# Allegro board AM335x_ICE_3H0013_PCB_REV_2_1A.brd (continued)
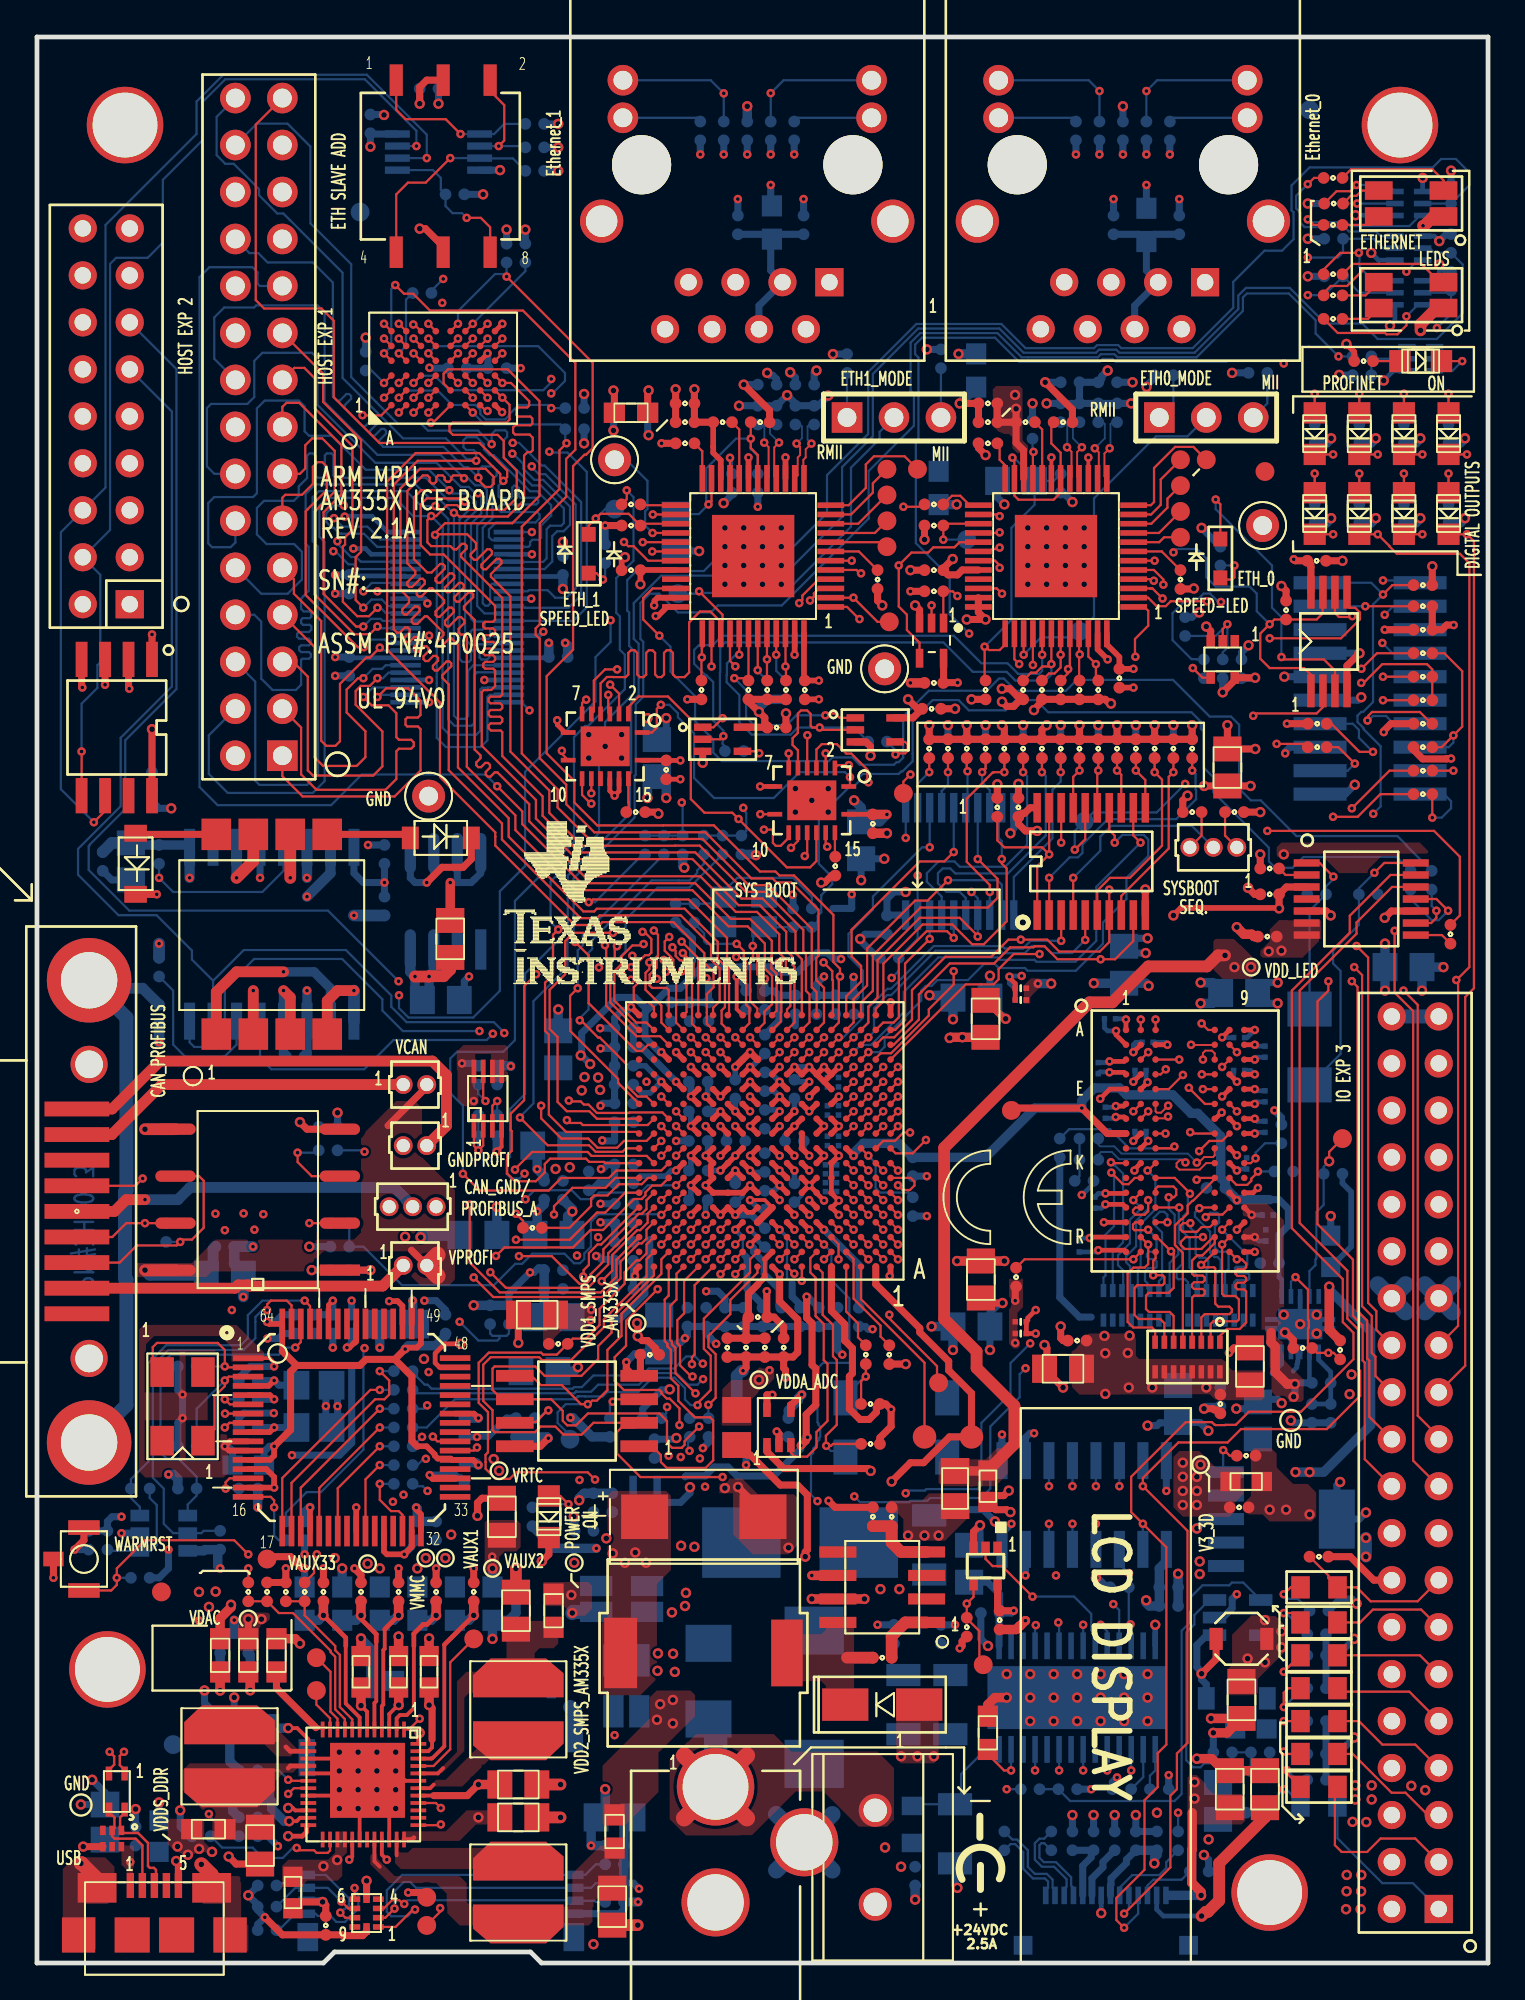
[diagram p0: board, top side]
## Routing (per net, layer and track width the routed paths; a pad name or vN(x,y) marks a point on that pad's centre or on a via; arc(x,y) is an arc through that point) (continued)
PRUETH0_TXD2: length 45.5
  TOP w0.121: U37.12 59.3,60.97 v1(59.69,60.58) ; v1(60.93,74.53) 60.93,74.81 60.41,75.32 U3.5 ; v1(44.17,49.25) U14.R4
  LYR3 w0.127: v1(60.93,74.53) 61.39,74.06 61.39,69.1 59.94,67.65 59.94,63.68 57.78,61.53 57.78,60.49 58.21,60.07 59.18,60.07 v1(59.69,60.58)
  BOTTOM w0.121: v1(44.17,49.25) 44.56,49.64 45.11,49.64 46.89,51.41 46.89,52.51 48.76,54.38 51.96,54.38 52.09,54.24 53.95,54.24 54.06,54.14 56.17,54.14 57.3,55.27 57.3,58.19 v1(59.69,60.58)
PRUETH0_TXD3: length 45.9
  TOP w0.121: U3.6 v1(60.45,75.82) ; v1(58.29,60.58) 58.29,60.96 58,61.25 U37.14 ; v1(44.97,49.25) U14.R3
  LYR3 w0.127: v1(60.45,75.82) 60.56,75.82 61.94,74.44 61.94,64.22 v1(58.29,60.58)
  BOTTOM w0.121: v1(58.29,60.58) 58.71,61 59.86,61 60.11,60.75 60.11,59.85 58.93,58.67 58.93,57.53 57.66,56.26 57.66,55.12 56.19,53.65 53.58,53.65 53.44,53.8 52.02,53.8 51.81,54.01 51.22,54.01 50.35,53.15 48.7,53.15 48.39,52.83 48.07,52.83 47.82,52.58 47.82,52.04 45.85,50.06 45.85,49.54 45.56,49.25 v1(44.97,49.25)
PRUETH0_TXEN: length 89.3
  TOP w0.121: v1(49.58,53.63) 49.58,52.91 48.24,51.57 48.24,51.23 46.2,49.19 45.63,49.19 45.37,48.93 U14.R2 ; v1(33.77,43.65) U14.J16 ; U3.2 60.1,73.82 60.56,73.36 61.05,73.36 61.32,73.63 v1(63.28,73.63) ; U37.16 56.7,60.76 v1(56.13,60.2)
  LYR3 w0.127: v1(32.14,53.85) 31.93,53.85 31.91,53.86 31.15,53.86 29.32,52.03 28,52.03 26.47,50.5 26.47,46.02 28.41,44.08 33.34,44.08 v1(33.77,43.65)
  LYR4 w0.127: v1(63.28,73.63) 63.72,73.19 63.72,71.25 63.11,70.64 63.11,66.05 61.96,64.9 61.96,64.41 62.1,64.27 v1(62.1,63.75) ; v1(56.13,60.2) 57.02,59.31 57.02,57.53 57.95,56.6 57.95,54.1 57.7,53.85 55.52,53.85 53.62,55.75 52.4,55.75 50.32,53.67 49.62,53.67 v1(49.58,53.63) 49.1,54.11 45.73,54.11 43.51,51.89 33.97,51.89 32.78,53.08 32.78,53.2 v1(32.14,53.85)
  BOTTOM w0.121: v1(56.13,60.2) 56.13,61.21 TP32.1 57.13,62.21 60.56,62.21 v1(62.1,63.75)
PRUETH1_ACTLED: length 36.4
  TOP w0.121: U2.26 v1(33.31,78.32)
  LYR3 w0.127: v1(33.31,78.32) 34.29,79.3 34.29,82.93 32.58,84.64 32.58,91.32 36.36,95.09 36.36,95.11 37.57,96.32 37.57,100.82 37.85,101.09 39.67,101.09 v1(39.69,101.1)
  BOTTOM w0.121: J1.12 40.38,101.8 v1(39.69,101.1) R97.1
PRUETH1_COL: length 23.5
  TOP w0.121: U9.11 v1(29.98,63.25) ; U7.1 43.42,67.32 43.18,67.56 42.75,67.56 v1(42.65,67.46) ; v1(37.72,69.47) 38.35,69.47 R27.1 38.49,69.35 U2.42
  LYR3 w0.127: v1(29.98,63.25) 30.97,64.23 32.8,64.23 37.72,69.15 v1(37.72,69.47)
  BOTTOM w0.121: v1(42.65,67.46) 41.07,67.46 40.54,66.93 38.79,66.93 38.36,67.36 38.36,67.45 38.35,67.45 38.35,68.83 v1(37.72,69.47)
PRUETH1_INTN: length 3
  TOP w0.121: R18.1 44.45,76.32 U2.7
PRUETH1_JTCK: length 3.1
  TOP w0.121: TP16.1 45.73,76.82 U2.8
PRUETH1_JTDI: length 6.8
  TOP w0.121: TP8.1 46.93,81.47 45.27,81.47 44.83,81.03 44.83,79.76 43.9,78.82 U2.12
PRUETH1_JTDO: length 3.3
  TOP w0.121: U2.9 45.32,77.32 TP14.1
PRUETH1_JTMS: length 3.7
  TOP w0.121: TP12.1 44.42,77.82 U2.10
PRUETH1_JTRSTN: length 4.4
  TOP w0.121: TP10.1 45.21,80.01 45.21,79.5 44.03,78.32 U2.11
PRUETH1_LINKLED: length 37.8
  TOP w0.121: U2.28 v1(33.29,77.32)
  LYR4 w0.127: J1.10 30.05,101.8 28.83,100.58 28.83,93.09 31.65,90.27 31.65,82.67 31.24,82.26 TP17.1
  BOTTOM w0.121: v1(33.29,77.32) 32.89,77.72 32.89,78.5 33.02,78.62 33.02,80.14 31.88,81.28 TP17.1 ; J1.10 36.44,101.8 v1(37.15,101.09) R95.1
PRUETH1_RXD3: length 22.3
  TOP w0.121: U2.46 v1(40.49,70.1) 40.51,70.08 R29.1 ; U11.14 42.66,60.44 v1(42.74,60.36)
  LYR4 w0.127: v1(40.49,70.1) 40.49,71.23 40.82,71.56 41.5,71.56 41.61,71.45 41.61,70.89 41.72,70.77 41.88,70.77 41.99,70.89 41.99,71.45 42.1,71.56 42.52,71.56 43.07,71.02 43.07,69.69 43.42,69.33 43.42,69.1 43.07,68.74 43.07,66.94 42.51,66.38 42.26,66.38 41.64,65.76 41.64,64.91 42.07,64.47 42.07,63.52 42.38,63.21 42.38,62.48 42.33,62.42 42.33,61.76 42.44,61.65 43.05,61.65 43.16,61.54 43.16,61.38 43.05,61.27 42.44,61.27 42.33,61.16 42.33,60.9 42.74,60.48 v1(42.74,60.36)
PRUETH1_RXDV: length 40
  TOP w0.121: U2.39 36.98,72.48 ; 36.98,72.48 36.99,72.48 37.08,72.57 37.08,72.9 v1(35.81,74.17) ; 36.98,72.48 36.98,72.51 36.42,73.08 35.86,73.08 35.27,72.49 35.27,69.78 35.03,69.53 34.54,69.53 34.4,69.67 34.4,70.84 34.26,70.98 34.06,70.98 33.92,70.84 33.92,69.67 33.78,69.53 33.57,69.53 33.43,69.67 33.43,70.84 33.29,70.98 33.09,70.98 32.95,70.84 32.95,69.67 32.81,69.53 32.61,69.53 32.47,69.67 32.47,70.84 32.33,70.98 32.13,70.98 31.99,70.84 31.99,69.67 31.84,69.53 31.18,69.53 31.17,69.54 30.83,69.54 30.48,69.19 U9.5
  BOTTOM w0.121: TP36.1 35.69,74.04 v1(35.81,74.17) 35.86,74.17 35.94,74.08 40.45,74.08 44.03,77.66 44.03,80.85 45.57,82.4 45.57,82.78 J19.2
PRUETH1_RXERR: length 20.4
  TOP w0.121: U2.41 v1(37.98,70.74) ; U11.6 41.16,65.57 40.87,65.86 40.87,66.23 41.15,66.51 41.15,67.56 41.32,67.73 41.66,67.73 41.85,67.54 41.85,66.91 41.95,66.8 v1(42.33,66.8) 42.34,66.8 42.47,66.67 U7.2
  BOTTOM w0.121: R138.2 44.2,66.8 v1(42.33,66.8) 41.15,66.8 40.77,66.42 38.66,66.42 37.99,67.08 37.99,68.56 37.3,69.25 37.3,69.64 37.32,69.66 37.32,70.27 37.84,70.79 37.93,70.79 v1(37.98,70.74)
PRUETH1_RXERR_COL: length 11.8
  TOP w0.121: v1(46.44,65.35) 46.5,65.41 46.96,65.41 47.09,65.54 47.09,65.89 46.96,66.03 U7.4 ; U11.11 41.16,60.67 v1(40.79,60.3)
  LYR3 w0.127: v1(46.44,65.35) 45.89,65.35 43.24,62.7 42.6,62.7 42.33,62.42 42.33,61.84 v1(40.79,60.3)
  BOTTOM w0.121: R138.1 46.44,65.58 v1(46.44,65.35)
PRUETH1_SPEEDLED: length 50.8
  TOP w0.121: D5.1 29.84,77.72 v1(30.23,78.11) 30.48,78.36 32,78.36 R15.1 32.74,77.82 U2.27 ; v1(31.37,54.98) 31.38,54.98 31.38,54.97 31.25,54.84 31.25,54.35 31.01,54.11 31.01,51.94 32.5,50.45 U14.U18
  LYR4 w0.127: v1(30.23,78.11) 30.26,78.14 31.84,78.14 32.35,77.64 32.35,76.08 32.89,75.54 33.31,75.54 33.46,75.39 33.46,74.94 33.61,74.79 33.82,74.79 33.97,74.94 33.97,75.39 34.12,75.54 34.44,75.54 34.77,75.21 34.77,74.46 34.63,74.31 34.24,74.31 34.09,74.16 34.09,73.95 34.24,73.8 34.63,73.8 34.77,73.65 34.77,73.44 34.63,73.3 34.24,73.3 34.09,73.15 34.09,72.94 34.24,72.79 34.63,72.79 34.77,72.64 34.77,72.43 34.63,72.28 34.24,72.28 34.09,72.13 34.09,71.92 34.24,71.77 34.63,71.77 34.77,71.62 34.77,70.94 33.73,69.9 33.73,69.69 33.88,69.54 34.09,69.54 34.62,70.07 34.83,70.07 34.98,69.92 34.98,69.71 34.45,69.18 34.45,68.97 34.6,68.82 34.81,68.82 35.34,69.35 35.55,69.35 36.48,68.42 36.48,64.7 36.13,64.35 36.1,64.35 35.47,63.72 35.47,62.19 34.88,61.6 33.82,61.6 31.57,59.35 31.57,55.16 31.39,54.98 v1(31.37,54.98)
  BOTTOM w0.121: v1(30.23,78.11) 30.73,78.61 TP40.1
PRUETH1_SWSTRAP: length 2
  TOP w0.121: U2.21 v1(37.49,81.39)
  BOTTOM w0.121: v1(37.49,81.39) 37.59,81.28 R129.1
PRUETH1_TXCLK: length 10.9
  TOP w0.121: U11.2 43.31,64.77 v1(43.91,64.77) ; U2.1 43.82,73.32 44.47,72.67 v1(44.49,72.67)
  LYR4 w0.127: v1(43.91,64.77) 44.49,65.34 44.49,68.37 44.69,68.57 44.69,69.86 44.49,70.06 v1(44.49,72.67)
PRUETH1_TXD0: length 33.9
  TOP w0.121: U2.3 42.29,74.32 42.02,74.05 42.02,73.88 v1(41.82,73.67) ; U11.13 42.16,59.58 41.82,59.24 40.56,59.24 37.96,61.84 37.96,61.84 v1(37.95,61.86) 37.61,62.19 36.1,62.19 35.37,62.93 35.37,65.22 35.35,65.24 35.35,67.26 34.13,68.48 32.55,68.48 31.98,67.91 U9.2
  LYR3 w0.127: v1(41.82,73.67) 41.82,70.24 39.81,68.24 39.81,67.74 37.74,65.68 37.74,62.06 v1(37.95,61.86)
PRUETH1_TXEN: length 29.7
  TOP w0.121: U11.3 v1(42.66,65.41) ; U11.5 41.66,66.38 v1(41.67,66.39) ; TP33.1 45.47,72.52 v1(44.16,73.82) U2.2
  LYR3 w0.127: v1(41.67,66.39) 41.66,66.4 41.66,67.62 41.92,67.88 43.74,67.88 44.69,68.83 44.69,71.67 44.48,71.87 43.8,71.87 43.65,71.72 43.65,71.07 43.5,70.93 42.92,70.93 42.71,71.14 42.71,73.06 43.05,73.41 43.74,73.41 v1(44.16,73.82)
  LYR4 w0.127: v1(42.66,65.41) 43.98,66.73 43.98,68.58 44.19,68.78 44.19,69.65 43.98,69.85 43.98,73.64 v1(44.16,73.82)
PRUETH_MDC: length 52.5
  TOP w0.121: U3.31 51.82,75.82 52.07,75.58 v1(52.07,75.44) ; U2.31 33.06,75.82 32.27,76.61 31.98,76.61 v1(31.75,76.83)
  LYR3 w0.127: v1(34.88,62.75) 35.65,61.98 36.45,61.98 37.03,61.41 38.38,61.41 38.63,61.66 38.63,65.59 38.98,65.94 41.06,65.94 41.38,65.62 42.27,65.62 42.69,66.03 44.16,66.03 46.92,68.8 47.46,68.8 49.82,71.16 49.82,72.84 52.07,75.09 v1(52.07,75.44)
  LYR4 w0.127: v1(34.88,62.75) 34.88,63.34 34.38,63.83 34.38,64.18 34.62,64.43 34.97,64.43 35.26,64.72 35.26,67.5 34.18,68.58 34.16,68.58 32.09,70.65 32.09,73.45 31.28,74.27 31.28,76.37 v1(31.75,76.83)
  BOTTOM w0.121: R150.1 R149.1 R148.1 34.92,62.7 v1(34.88,62.75)
PRUETH_MDIO: length 45.4
  TOP w0.121: v1(52.07,76.53) 51.99,76.45 51.69,76.45 51.56,76.32 U3.30 ; U2.30 v1(33.28,76.32)
  LYR3 w0.127: v1(52.07,76.53) 51.29,75.75 51.29,74.83 49.31,72.85 49.31,71.92 43.79,66.39 42.69,66.39 42.27,65.98 41.85,65.98 41.84,65.97 41.5,65.97 41.27,66.2 38.84,66.2 38.2,65.56 v1(38.2,62.46)
  LYR4 w0.127: v1(38.2,62.46) 38.1,62.56 38.1,66.07 37.55,66.62 37.55,68.12 35.98,69.69 35.25,70.42 35.25,75.28 34.21,76.32 v1(33.28,76.32)
  BOTTOM w0.121: R147.1 R146.1 R145.1 38.36,61.22 38.36,62.19 38.2,62.35 v1(38.2,62.46)
PRUETHER0_RDN: length 15.6
  TOP w0.102: U3.13 57.74,80.4 57.74,81.62 v1(58.02,81.9)
  LYR3 w0.102: v1(58.02,81.9) 57.84,82.09 57.84,84.73 60.82,87.72 60.82,89.03 61.43,89.64 62.59,89.64 62.67,89.57 62.67,89.1 J2.2
  BOTTOM w0.102: v1(58.02,81.9) 58.06,81.95 58.06,83.21 58.17,83.31 R116.2
PRUETHER0_RDP: length 15.7
  TOP w0.102: v1(57.22,81.9) 57.43,81.68 57.43,80.34 U3.14
  LYR3 w0.102: v1(57.22,81.9) 57.53,82.22 57.53,84.86 60.52,87.84 60.52,89.15 61.31,89.95 62.25,89.95 J2.1
  BOTTOM w0.102: v1(57.22,81.9) 57.76,82.45 57.76,83.21 57.66,83.31 R117.2
PRUETHER0_TDN: length 14.4
  TOP w0.102: v1(56.52,81.95) 56.26,81.7 56.26,80.38 U3.16
  LYR3 w0.102: v1(56.52,81.95) 56.31,82.16 56.31,86.49 55.74,87.06 55.74,89.03 56.34,89.63 57.12,89.63 57.5,89.25 57.5,89 J2.6
  BOTTOM w0.102: R118.2 56.13,83.31 56.03,83.21 56.03,82.44 v1(56.52,81.95)
PRUETHER0_TDP: length 14.4
  TOP w0.102: U3.17 55.96,80.36 55.96,81.71 v1(55.72,81.95)
  LYR3 w0.102: J2.5 57.15,89.93 56.21,89.93 55.44,89.15 55.44,86.93 56.01,86.36 56.01,82.25 v1(55.72,81.95)
  BOTTOM w0.102: R119.2 55.63,83.31 55.73,83.21 55.73,81.97 v1(55.72,81.95)
PRUETHER1_RDN: length 14.4
  TOP w0.102: U2.13 41.46,80.3 41.46,80.31 41.45,80.31 41.45,81.28 41.58,81.4 41.58,81.85 v1(41.89,82.16)
  LYR3 w0.102: J1.2 42.35,89.1 42.35,89.41 42.23,89.53 41.01,89.53 40.5,89.03 40.5,87.52 41.63,86.39 41.63,82.42 v1(41.89,82.16)
  BOTTOM w0.102: v1(41.89,82.16) 41.68,82.37 41.68,83.08 41.78,83.19 R120.2
PRUETHER1_RDP: length 14.5
  TOP w0.102: U2.14 41.15,80.44 41.15,81.4 41.27,81.53 41.27,81.97 v1(41.09,82.16)
  LYR3 w0.102: v1(41.09,82.16) 41.32,82.39 41.32,86.27 40.2,87.39 40.2,89.15 40.88,89.84 41.82,89.84 J1.1
  BOTTOM w0.102: R121.2 41.27,83.19 41.38,83.08 41.38,82.45 v1(41.09,82.16)
PRUETHER1_TDN: length 16.5
  TOP w0.102: U2.16 39.88,80.38 39.88,81.95 v1(40.14,82.21)
  LYR3 w0.102: v1(40.14,82.21) 39.89,82.46 39.89,84.76 38.11,86.54 36.51,86.54 35.42,87.63 35.42,89.03 35.97,89.58 36.85,89.58 37.09,89.33 37.09,88.92 J1.6
  BOTTOM w0.102: R122.2 39.75,83.19 39.65,83.08 39.65,82.7 v1(40.14,82.21)
PRUETHER1_TDP: length 16.6
  TOP w0.102: v1(39.33,82.21) 39.57,81.97 39.57,80.36 U2.17
  LYR3 w0.102: J1.5 36.78,89.88 35.84,89.88 35.12,89.15 35.12,87.5 36.39,86.23 37.98,86.23 39.58,84.64 39.58,82.46 v1(39.33,82.21)
  BOTTOM w0.102: R123.2 39.24,83.19 39.34,83.08 39.34,82.22 v1(39.33,82.21)
PWR_SWIO: length 1.3
  TOP w0.254: U22.14 13.69,11.45 13.46,11.68
PWR_VAUX1: length 11.3
  TOP w0.203: U22.46 21.34,11.05 21.36,11.07 21.39,11.07 22.03,11.72 22.03,17.21
  TOP w0.254: v2(23.62,18.8) 22.03,17.21
  TOP w0.508: C53.1 v2(23.62,18.8)
  BOTTOM w0.508: v2(23.62,18.8) 23.36,18.53 R214.1
PWR_VAUX2: length 10.6
  TOP w0.203: U22.48 20.63,12.37 v2(20.7,12.45)
  LYR4 w0.508: v2(24.64,17.53) 23.14,16.03 23.14,14.5 21.08,12.45 v2(20.7,12.45)
  BOTTOM w0.508: v2(24.64,17.53) R213.1 25.52,18.53 25.91,18.92 C237.1
PWR_VAUX33: length 16.6
  TOP w0.203: 18.81,18.05 18.81,16.99 18.73,16.92 18.73,13.97 18.65,13.89 U22.4
  TOP w0.254: v2(19.56,18.8) 18.81,18.05
  TOP w0.508: v2(14.22,17.27) 13.96,17.54 R78.1 ; C51.1 v2(19.56,18.8)
  LYR4 w0.508: v2(19.56,18.8) 18.54,17.78 18.54,17.27 17.91,16.64 14.86,16.64 v2(14.22,17.27)
  BOTTOM w0.508: R216.2 19.29,18.53 v2(19.56,18.8)
PWR_VDAC: length 11.8
  TOP w0.203: v2(13.59,8.38) 13.84,8.38 13.97,8.25 U22.22
  TOP w0.508: v2(11.53,14.74) 11.53,15.63 R77.1
  LYR4 w0.508: v2(13.59,8.38) 13.08,8.38 11.43,10.03 11.43,14.64 v2(11.53,14.74)
  BOTTOM w0.508: C244.1 11.53,16.66 v2(11.53,14.74)
PWR_VDD1_SMPS: length 1.6
  TOP w0.203: 18.54,5.21 18.25,5.5 U22.32
PWR_VDD2_SMPS: length 1.5
  TOP w0.203: 21.97,10.54 21.68,10.25 U22.44
PWR_VDDIO: length 4.4
  TOP w0.203: 15.09,12.73 15.45,12.73 U22.12
  TOP w0.381: 15.09,12.73 12.95,14.86 R78.2
PWR_VDDS_DDR: length 1.1
  TOP w0.254: 13.59,10.54 13.7,10.65 U22.16
PWR_VDIG1: length 8.9
  TOP w0.203: U22.7 17.45,13.28 16.7,14.03 16.7,17.14
  TOP w0.254: v2(15.49,18.8) 16.7,17.59 16.7,17.14
  TOP w0.508: C49.1 v2(15.49,18.8)
  BOTTOM w0.508: v2(15.49,18.8) 15.23,18.53 R218.2
PWR_VDIG2: length 8.4
  TOP w0.203: U22.5 18.25,14.06 18.35,14.16 18.35,17.36
  TOP w0.254: v2(17.53,18.8) 17.53,18.61 18.35,17.78 18.35,17.36
  TOP w0.508: C50.1 v2(17.53,18.8)
  BOTTOM w0.508: R217.2 17.26,18.53 v2(17.53,18.8)
PWR_VMMC: length 9.3
  TOP w0.203: 20.38,17.14 20.38,13.79 20.01,13.41 19.63,13.41 19.45,13.23 U22.2
  TOP w0.254: 20.38,17.14 20.38,17.8 20.89,18.31 21.11,18.31 v2(21.59,18.8)
  TOP w0.508: C52.1 v2(21.59,18.8)
  BOTTOM w0.508: v2(21.59,18.8) 21.33,18.53 R215.2
PWR_VPLL: length 14.3
  TOP w0.254: U22.24 14.58,7.35 14.58,7.09 14.35,6.86 v2(13.59,6.86)
  TOP w0.508: v2(9.91,14.73) R76.1
  LYR4 w0.508: v2(9.91,14.73) 9.91,9.91 12.83,6.99 13.22,6.99 13.35,6.86 v2(13.59,6.86)
  BOTTOM w0.508: v2(9.91,14.73) C245.1
PWRON: length 4.6
  TOP w0.203: v1(18.92,5.59) 18.65,5.86 U22.33
  TOP w0.381: v1(20.08,3.81) 20.83,3.81 TP30.1
  LYR3 w0.508: v1(20.08,3.81) 20.06,3.83 20.06,4.48 18.95,5.59 v1(18.92,5.59)
RESN: length 4.6
  BOTTOM w0.121: J17.6 58.56,4.08 59.24,4.75 60.7,4.75 61.08,5.14 61.08,5.46 R230.2
RTC_PORZ: length 30.4
  TOP w0.121: v1(42.57,38.05) U14.B5 ; U13.7 24.14,46.73 v1(24.26,46.61)
  LYR3 w0.127: v1(24.26,46.61) 24.3,46.57 24.3,42.8 27.01,40.08 27.01,39.79 28.97,37.83 31.4,37.83 33.61,40.04 39.58,40.04 39.88,40.35 40.46,40.35 40.76,40.04 41.93,40.04 42.17,39.81 42.17,38.69 42.57,38.29 v1(42.57,38.05)
  BOTTOM w0.121: v1(24.26,46.61) 23.88,46.99 R176.2
RTCK: length 3.7
  TOP w0.121: R22.1 v1(72.8,69.55)
  BOTTOM w0.121: v1(72.8,69.55) J15.9
SENSE: length 4
  TOP w0.635: U21.4 46.74,22.23 46.23,22.73 R67.1 R66.2
SPI0_CS0: length 17
  TOP w0.121: U14.A16 34.17,36.09 33.95,35.87 33.95,33.63 34.1,33.49 34.1,33.35 34.29,33.15 34.29,31.61 34.69,31.21 34.69,30.4 35.58,29.51 36.4,29.51 36.58,29.34 36.58,27.18 36.17,26.77 34.06,26.77 33.75,27.09 33.75,27.47 33.27,27.94 U17.1
SPI0_CS1: length 45.6
  TOP w0.121: v1(33.57,36.43) 31.86,34.73 31.86,33.37 31.25,32.76 31.25,31.48 31.74,30.98 33.67,30.98 33.78,30.87 33.78,30.8 34.06,30.52 34.22,30.52 34.75,29.99 v1(34.75,29.08) ; v1(34.57,38.85) U14.C15
  LYR3 w0.127: v1(34.57,38.85) 34.57,38.63 34.07,38.13 34.07,37.37 33.57,36.87 33.57,36.44 v1(33.57,36.43)
  LYR4 w0.127: v1(34.75,29.08) 35.18,29.51 36.08,29.51 36.09,29.5 43.42,29.5 43.94,28.98 50.5,28.98 53.65,25.84 53.65,22.89 54.61,21.92 54.61,20.87 56.73,18.75 57.07,18.75 v1(57.53,18.29)
  BOTTOM w0.121: U35.24 57.89,17.93 v1(57.53,18.29)
SPI0_D0: length 58.6
  TOP w0.121: U20.4 50.66,19.8 v1(50.29,19.43) R75.1 50.29,18.63 50.97,17.95 50.97,16.34 TP39.1 ; U14.B17 32.97,38.05 32.97,37.11 30.66,34.8 30.66,34.38 28.88,32.6 27.32,32.6 27.16,32.76 24.54,32.76 24.14,32.35 24.14,30.39 24.64,29.89 24.64,28.82 24.75,28.71 26.94,28.71 27.24,29.01 28.04,29.01 28.48,28.57 29.46,28.57 30.1,29.21 U17.2 32.32,28.96 31.62,28.96 31.37,28.71 31.37,27.55 32.64,26.28 v1(37.08,26.28)
  LYR4 w0.127: v1(50.29,19.43) 49.7,19.43 46.65,22.48 46.65,24.34 47.5,25.19 47.5,25.93 46.35,27.08 43.85,27.08 43.42,26.66 40.2,26.66 39.82,26.28 39.81,26.28 v1(37.08,26.28)
SPI0_D1: length 18.3
  TOP w0.121: U14.B16 33.77,38.05 33.77,37.26 31.62,35.11 31.62,33.91 30.85,33.15 30.85,30.98 30.28,30.41 30.04,30.41 29.84,30.22 v1(29.79,30.22) 29.42,30.22 28.39,31.25 27.25,31.25 26.75,31.75 U17.5
  BOTTOM w0.121: v1(29.79,30.22) 28.6,30.22 28.16,29.78 28.16,29.2 28.83,28.53 TP38.1
SPI0_SCLK: length 62.2
  TOP w0.121: U14.A17 33.37,37.18 31.08,34.88 31.08,34.08 30.35,33.36 30.35,32.65 29.45,31.75 27.46,31.75 26.95,32.25 24.75,32.25 24.64,32.14 24.64,30.98 25.15,30.48 U17.6 27.81,30.48 28.44,29.85 28.44,29.32 28.68,29.07 29.16,29.07 29.8,29.71 33.67,29.71 34.08,29.31 34.08,28.13 34.35,27.85 34.88,27.85 34.88,27.87 35.03,28.01 35.03,28.22 v1(35.81,29.01)
  LYR4 w0.127: v1(58.22,19.41) 58.04,19.23 58.04,18.08 57.74,17.78 56.5,17.78 56.44,17.84 53.89,20.4 53.89,21.45 53.14,22.2 53.14,25.63 50.29,28.48 43.73,28.48 43.36,28.85 41.37,28.85 41.12,28.6 40.84,28.32 36.5,28.32 v1(35.81,29.01)
  BOTTOM w0.121: v1(58.22,19.41) 58.54,19.09 U35.25
SPI1_CS0: length 92.1
  TOP w0.121: v1(36.97,38.85) U14.C12
  LYR3 w0.127: v1(11.76,39.65) 13.49,37.92 13.49,37.74 17.24,33.99 20.68,33.99 21.72,32.94 29.87,32.94 32.18,35.26 34.66,35.26 35.2,35.8 35.2,37.17 35.78,37.74 35.78,38.21 36.01,38.45 36.34,38.45 36.74,38.85 v1(36.97,38.85)
  LYR4 w0.127: J3.18 4.04,92.23 5.89,92.23 8.58,89.54 8.58,65.41 11.34,62.65 11.34,57.04 12.66,55.71 12.66,40.31 12.42,40.07 12.18,40.07 v1(11.76,39.65)
SPI1_D0: length 87.3
  TOP w0.121: v1(36.17,38.05) U14.B13
  LYR3 w0.127: v1(36.17,38.05) 36.17,37.34 35.66,36.83 35.66,35.41 34.65,34.39 34.14,34.39 32.92,33.17 31.56,33.17 29.87,31.48 20.93,31.48 18.68,33.73 15.97,33.73 14.05,35.65 14.05,35.77 11.18,38.65 v1(11.18,40.53)
  LYR4 w0.127: J3.14 3.94,87.25 5.79,87.25 7.51,85.53 7.51,65.27 9.64,63.15 9.64,57.18 11.18,55.64 v1(11.18,40.53)
SPI1_D1: length 87.7
  TOP w0.121: v1(36.97,39.65) U14.D12
  LYR3 w0.127: v1(36.97,39.65) 36.74,39.65 36.33,39.25 36.01,39.25 35.77,39.01 35.77,38.69 35.53,38.45 35.21,38.45 34.98,38.21 34.98,36.45 34.24,35.71 31.79,35.71 30.33,34.25 17.99,34.25 16.46,35.78 16.46,36.53 14.81,38.18 14.55,38.18 v1(12.24,40.49)
  LYR4 w0.127: v1(12.24,40.49) 12.24,55.36 10.13,57.47 10.13,63.26 8.03,65.37 8.03,87.55 5.72,89.87 3.86,89.87 J3.16
SPI1_SCLK: length 87.1
  TOP w0.121: U14.A13 35.57,36.65 35.57,32.9 35.43,32.76 v1(35.43,32.38)
  LYR3 w0.127: v1(10.16,39.62) 10.16,38.95 13.46,35.65 13.46,35.22 16.34,32.35 17.61,32.35 18.37,31.58 18.54,31.58 20.48,29.64 21.39,29.64 22.14,30.39 28.66,30.39 29.25,29.8 29.27,29.79 29.29,29.79 29.96,29.79 30.08,29.91 31.73,29.91 34.2,32.38 v1(35.43,32.38)
  LYR4 w0.127: J3.12 4.06,84.58 4.06,71.59 5.44,70.21 5.44,65.36 8.71,62.08 8.71,56.42 9.76,55.37 9.76,41.45 10.16,41.05 v1(10.16,39.62)
SYS_BOOT0: length 15
  TOP w0.121: 62.48,65.15 v1(62.48,64.48) ; U37.2 v1(54.75,58.67)
  BOTTOM w0.121: v1(54.75,58.67) 55.86,59.78 56.31,59.78 56.55,60.03 56.55,60.48 57.92,61.85 61.62,61.85 62.7,62.93 62.7,63.42 62.67,63.45 62.67,64.29 v1(62.48,64.48) 62.48,65.15
SYS_BOOT1: length 11.7
  TOP w0.121: U37.4 v1(56.05,58.67)
  BOTTOM w0.121: v1(56.05,58.67) 57.51,60.14 57.51,60.9 58.1,61.49 62.46,61.49 J5.2
SYS_BOOT2: length 11.5
  TOP w0.121: U37.6 57.35,57.98 58.04,58.67 59.11,58.67 60.85,60.41 60.85,63.99 v1(60.45,64.39) 60.45,65.15
  BOTTOM w0.121: 60.45,65.15 v1(60.45,64.39)
SYS_BOOT3: length 10.4
  TOP w0.121: U37.8 58.65,57.7 61.21,60.26 61.21,64.14 v1(61.47,64.39) 61.47,65.15
  BOTTOM w0.121: 61.47,65.15 v1(61.47,64.39)
SYS_BOOT4: length 3.6
  TOP w0.121: 59.44,65.15 v1(59.44,64.48) 59.95,63.97 U37.11
  BOTTOM w0.121: 59.44,65.15 v1(59.44,64.48)
SYS_BOOT5: length 3.5
  TOP w0.121: U37.13 58.65,64.25 v1(58.42,64.48) 58.42,65.15
  BOTTOM w0.121: 58.42,65.15 v1(58.42,64.48)
SYS_BOOT6: length 3.4
  TOP w0.121: 57.4,65.15 v1(57.4,64.48) 57.35,64.42 U37.15
  BOTTOM w0.121: 57.4,65.15 v1(57.4,64.48)
SYS_BOOT7: length 3.5
  TOP w0.121: 56.39,65.15 v1(56.39,64.48) 56.05,64.14 U37.17
  BOTTOM w0.121: 56.39,65.15 v1(56.39,64.48)
SYS_BOOT8: length 3.7
  TOP w0.121: 48.26,65.15 v1(48.26,64.39)
  BOTTOM w0.121: U38.2 47.64,63.76 v1(48.26,64.39) 48.26,65.15
SYS_BOOT9: length 3.6
  TOP w0.121: 49.28,65.15 v1(49.28,64.39)
  BOTTOM w0.121: 49.28,65.15 v1(49.28,64.39) 49.28,63.71 48.94,63.37 U38.4
SYS_BOOT10: length 3.5
  TOP w0.121: 50.29,65.15 50.29,64.48 v1(50.33,64.44)
  BOTTOM w0.121: U38.6 50.33,62.56 v1(50.33,64.44) 50.29,64.48 50.29,65.15
SYS_BOOT11: length 3.8
  TOP w0.121: v1(51.12,64.39) 51.31,64.58 51.31,65.15
  BOTTOM w0.121: 51.31,65.15 51.31,64.58 v1(51.12,64.39) 51.12,63.83 51.54,63.42 U38.8
SYS_BOOT12: length 10.3
  TOP w0.121: 55.37,65.15 v1(55.37,64.39)
  BOTTOM w0.121: 55.37,65.15 v1(55.37,64.39) 55.37,63.88 54.93,63.44 54.93,60.81 52.84,58.72 U38.11
SYS_BOOT13: length 11
  TOP w0.121: v1(51.54,57.91) 51.54,58.29 50.29,59.54 50.29,62.95 51.31,63.97 51.31,63.99 51.68,64.36 51.72,64.36 51.75,64.39 52.32,64.39 v1(52.32,64.39) 52.32,65.15
  BOTTOM w0.121: U38.13 v1(51.54,57.91) ; 52.32,65.15 v1(52.32,64.39)
SYS_BOOT14: length 15.2
  TOP w0.121: 54.36,65.15 v1(54.36,64.39)
  BOTTOM w0.121: U38.15 50.24,57.59 49.91,57.91 49.2,57.91 48.73,58.37 48.73,58.93 48.99,59.18 49.4,59.18 49.67,58.91 52.52,58.91 54.56,60.96 54.56,64.18 v1(54.36,64.39) 54.36,65.15
SYS_BOOT15: length 14.4
  TOP w0.121: 53.34,65.15 v1(53.34,64.39)
  BOTTOM w0.121: U38.17 48.94,57.66 48.13,58.46 48.13,58.93 48.77,59.56 49.62,59.56 49.91,59.27 52.37,59.27 53.55,60.46 53.55,64.18 v1(53.34,64.39) 53.34,65.15
SYS_RESETN: length 201.1
  TOP w0.121: R20.2 72.48,70.82 v1(71.64,69.98) ; U5.2 48.39,72.45 v1(48.39,73.41) ; v1(36.32,30.18) 36.32,30.16 36.71,30.55 36.71,32.92 36.32,33.31 36.32,33.9 37.5,35.09 37.5,35.85 38.97,37.32 U14.A10
  LYR3 w0.127: v1(64.04,73.59) 68.02,73.59 v1(71.64,69.98) 68.71,67.05 68.71,60.55 64.61,56.45 64,56.45 63.5,55.95 63.5,53.83 65.44,51.89 66.22,51.89 68.42,49.69 68.42,45.84 67.93,45.36 67.93,38.26 66.49,36.81 66.49,36.51 63.23,33.25 61.72,33.25 60.57,32.09 58.65,32.09 58.4,31.85 57.48,31.85 57.28,31.65 53.26,31.65 52.86,32.05 52.86,32.66 53.7,33.5 v1(53.72,33.5) ; v1(36.32,30.18) 38.01,28.49 38.43,28.49 39.37,27.55 42.61,27.55 44.75,25.4 v1(46.99,25.4) ; v1(48.39,73.41) 48.39,73.62 47.28,74.72 41.22,74.72 40.88,75.06 33.94,75.06 32.35,76.65 32.35,81.92 31.81,82.46 31.81,83.71 24.76,90.77 22.26,90.77 v1(21.97,91.06)
  LYR4 w0.127: v1(61.72,8.13) 60.58,6.99 55.5,6.99 54.46,8.03 54.46,10.57 46.14,18.88 46.14,24.55 v1(46.99,25.4) ; v1(48.39,73.41) 48.56,73.41 50.17,75.02 58.71,75.02 60.39,73.34 61.9,73.34 62.39,73.82 62.88,73.82 63.1,74.05 63.58,74.05 v1(64.04,73.59)
  BOTTOM w0.121: v1(53.72,33.5) 53.72,33.47 53.69,33.47 52.66,32.44 52.66,30.78 51.08,29.21 51.08,25.85 50.86,25.63 48.1,25.63 48.02,25.55 47.14,25.55 v1(46.99,25.4) ; v1(36.32,30.18) 36.32,29.47 R197.1 R198.2 ; R105.1 21.34,90.42 v1(21.97,91.06) ; R230.1 v1(61.72,8.13) ; v1(64.04,73.59) 63.96,73.67 63.82,73.67 63.45,74.05 63.1,74.05 62.73,73.67 62.11,73.67 61.42,72.98 61.42,71.53 62.45,70.5 62.72,70.5 62.73,70.48 R142.1
SYS_WARMRESETN: length 39.1
  TOP w0.121: S1.2 4.01,20.14 4.32,20.45 v1(4.32,20.83) 4.32,21.34 5.84,22.86 10.67,22.86 v1(11.43,22.1)
  LYR3 w0.127: v1(11.43,22.1) 12.45,23.11 16.36,23.11 17.16,23.91 21.09,23.91 22.34,25.16 26.97,25.16 28.85,27.04 30.75,27.04 31.04,26.76 34.81,26.76 35.3,27.24 v1(35.3,27.69)
  BOTTOM w0.121: R198.1 35.22,28.36 35.22,27.78 35.3,27.69 v1(35.3,27.69) ; C235.1 v1(4.32,20.83)
TCK: length 3.7
  TOP w0.121: R23.1 v1(72.8,68.28)
  BOTTOM w0.121: J15.11 v1(72.8,68.28)
TDIS: length 5.1
  TOP w0.121: v1(71.85,73.36) R17.2
  BOTTOM w0.121: J15.4 v1(71.85,73.36)
TEMP_SENSE: length 13.4
  TOP w0.121: U19.3 40.78,27.59 40.99,27.38 41.66,27.38 42.16,27.88 42.16,28.71 42.76,29.31 42.76,32.4 42.55,32.6 42.55,34.55 42.18,34.92 42.17,34.92 42.11,34.98 42.11,37.06 41.83,37.34 41.83,38.11 U14.B6
TESTOUT: length 10.6
  TOP w0.121: TP24.1 48.01,32.46 44.57,35.89 U14.A3
UART0_RXD: length 33.5
  TOP w0.121: v1(34.57,40.45) U14.E15
  LYR4 w0.127: v1(17.72,43.87) 17.72,47.65 20.81,50.75 23.57,50.75 24.63,51.81 27.28,51.81 28,51.09 28.39,51.09 28.66,51.36 30.2,51.36 32.53,49.03 32.53,43.16 33.36,42.33 33.36,41.1 33.61,40.86 34.16,40.86 v1(34.57,40.45)
  BOTTOM w0.121: R181.1 17.64,43.94 v1(17.72,43.87)
UART0_TXD: length 22.6
  TOP w0.121: v1(33.77,40.45) U14.E16
  BOTTOM w0.121: v1(33.77,40.45) 33.73,40.48 30.36,40.48 29.96,40.08 29.96,38.73 29.6,38.37 29.6,38.07 29.37,37.84 29.05,37.84 28.53,38.35 26.79,38.35 26.24,37.81 25.87,37.81 24.71,36.65 19.74,36.65 17.66,38.73 C184.1 R186.1
UART1_RXD: length 34.4
  TOP w0.121: v1(33.77,39.65) U14.D16
  LYR4 w0.127: v1(33.77,39.65) 33.69,39.65 32.91,40.43 32.91,42.1 32.05,42.96 32.05,48.44 30.63,49.86 30.18,49.86 29.99,50.04 27.61,50.04 26.86,50.79 25.06,50.79 24.66,50.38 v1(24.66,50.25)
  BOTTOM w0.121: U28.5 12.06,48.94 12.68,48.33 17.7,48.33 19.28,49.91 24.32,49.91 v1(24.66,50.25)
UART1_TXD: length 43.2
  TOP w0.121: v1(34.57,39.65) U14.D15